# Altium PCB uTCA_MCH_PCB3.pcbdoc (part 24 of 25) (continued)
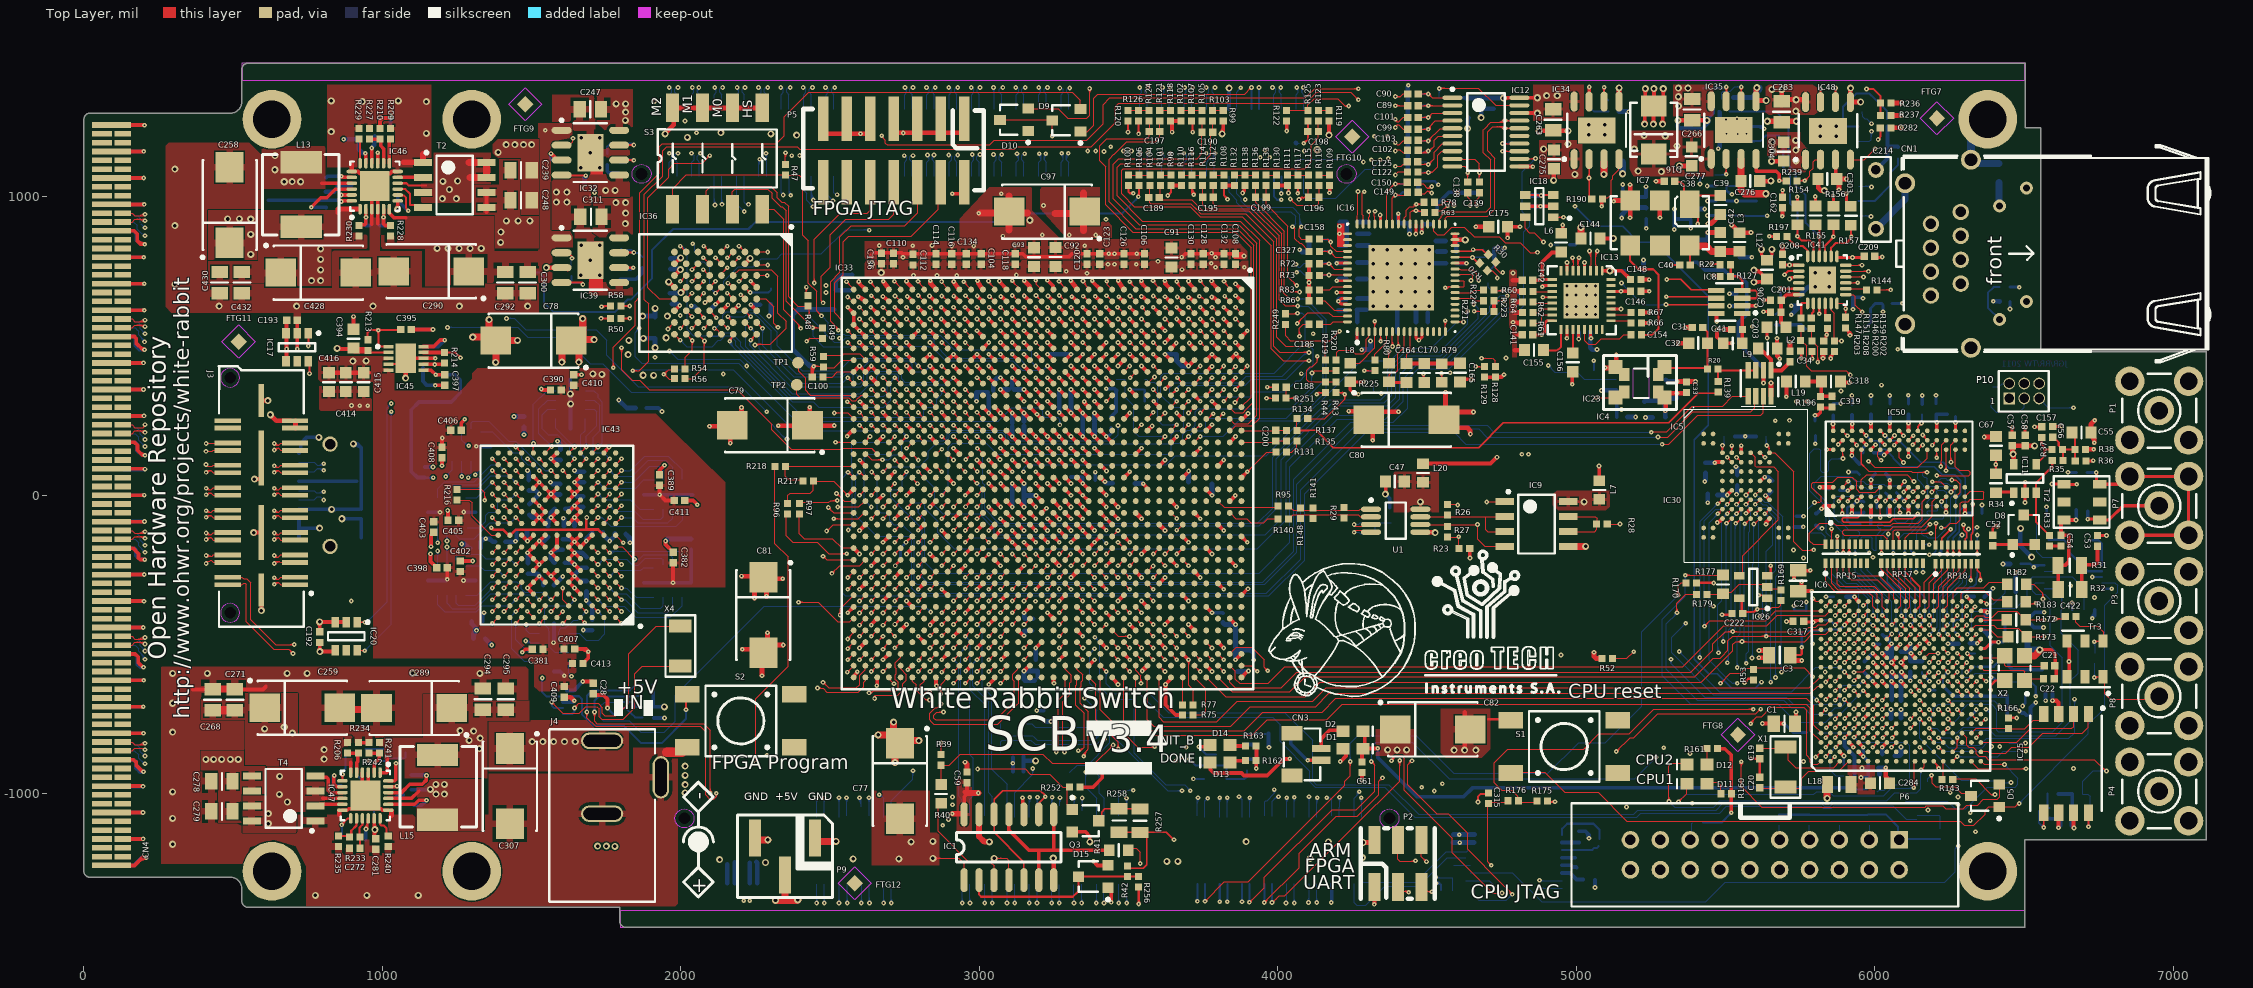
[diagram p0: Top Layer view]
## Nets (pads, with @x,y where several pads share a name; then routed paths per layer and width w, separated by ;. In a path a pad name is that pad's centre, name@x,y a point inside that pad or via, vN(x,y) a via of type N, cw(c..) or ccw(c..) an arc to the next point about the centre after c; other vN are vias at no path point) (continued)
  MidLayer1 w3.94: v1(409.45,1.62) 413.23,5.4 571.37,5.4 612.63,-35.86 760.27,-35.86 930.68,-206.27 930.68,-249.57 1465.86,-784.76 1966.54,-784.76 2001.06,-750.24 2236.03,-750.24 2333.67,-652.6 ; v1@410.84,0.23 cw(c423.33,-12.26) 423.33,5.4 ; v1@413.62,-2.56 cw(c432.83,-21.76) 432.83,5.4 ; 2333.71,-652.6 2544.34,-441.97 2585.97,-441.97 2592.84,-448.84 2761,-448.84 2781.46,-428.38 2820,-428.38 2829.39,-418.98 2840.05,-418.98 2854.13,-433.07 v1(2874.02,-433.07) ; v1@2869.84,-437.25 ccw(c2859.76,-447.33) 2859.76,-433.07 ccw(c2859.76,-418.81) v1@2869.84,-428.9 ; v1@2874.02,-434.02 v1@2874.37,-434.02
TXFD10_P: IC33.AF28 J3.20 | length 3185.9
  Top Layer w3.94: v1(409.45,23.38) 414.86,17.97 426.04,17.97 ; v1@411.28,24.1 ccw(c420.27,27.62) 420.27,17.97 ; v1@414.95,25.53 ccw(c426.04,29.88) 426.04,17.97 ; J3.20@481.69,25 433.07,25 426.04,17.97 ; v1(2874.02,-393.7) IC33.AF28@2893.7,-374.02 ; v1@2874.02,-387.8 ccw(c2874.02,-373.54) 2884.1,-383.62 ccw(c2894.18,-393.7) v1@2879.92,-393.7
  MidLayer1 w3.94: v1(409.45,23.38) 413.23,19.6 577.26,19.6 618.51,-21.65 766.15,-21.65 944.88,-200.38 944.88,-243.69 1471.74,-770.55 1960.66,-770.55 1995.18,-736.03 2230.15,-736.03 2327.79,-638.39 ; v1@410.84,24.77 ccw(c423.33,37.26) 423.33,19.6 ; v1@413.62,27.56 ccw(c432.83,46.76) 432.83,19.6 ; 2327.83,-638.39 2538.46,-427.76 2581,-427.76 2591.93,-416.84 2770.84,-416.84 2773.5,-414.17 2814.12,-414.17 2823.51,-404.78 2862.39,-404.78 v1@2873.9,-393.27 ; 2862.99,-404.17 cw(c2874.02,-415.19) v1@2874.02,-399.61 ; 2864.32,-402.84 ccw(c2855.18,-393.7) v1@2868.11,-393.7
TXFD11_N: IC33.AD27 J3.24 | length 3371.6
  Top Layer w3.94: v1(409,103) 409,98.83 410.94,96.89 417.85,96.89 418.34,96.4 429.47,96.4 433.07,100 J3.24@481.69,100 ; v1(2952.76,-354.33) IC33.AD27@2972.44,-334.65 ; v1@2952.76,-348.43 ccw(c2952.76,-334.17) 2962.84,-344.25 ccw(c2972.92,-354.33) v1@2958.66,-354.33
  MidLayer1 w3.94: v1@407.61,101.61 ccw(c419.39,113.39) 419.39,96.73 ; v1(409,103) 409,98.83 411.1,96.73 588.71,96.73 628.36,57.09 935.04,57.09 1029,-36.87 1029,-226.99 1462.56,-660.55 2238.45,-660.55 2505.48,-393.52 2505.48,-385.43 2531.97,-358.94 2580.31,-358.94 2584.65,-354.61 2584.65,-348.62 2592.72,-340.55 2604.13,-340.55 2610.33,-346.75 2625.89,-346.75 2632.09,-340.55 2643.5,-340.55 2649.94,-346.99 2665.02,-346.99 2671.46,-340.55 2682.87,-340.55 2689.43,-347.11 2704.27,-347.11 2710.83,-340.55 2722.24,-340.55 2728.86,-347.17 2743.58,-347.17 2750.2,-340.55 2761.61,-340.55 2768.23,-347.17 2782.95,-347.17 2789.57,-340.55 2809.64,-340.55 2816.32,-347.23 2860.94,-347.23 2868.55,-339.62 2897.21,-339.62 2902.61,-334.22 2932.65,-334.22 v1(2952.76,-354.33) ; v1@410.39,104.39 ccw(c428.89,122.89) 428.89,96.73 ; v1@413.18,107.18 ccw(c438.4,132.4) 438.4,96.73 ; v1@2946.85,-354.33 ccw(c2932.59,-354.33) 2942.67,-344.25 ccw(c2952.76,-334.17) v1@2952.76,-348.43
TXFD11_P: IC33.AE27 J3.22 | length 3305.7
  Top Layer w3.94: v1(409.45,76.62) 414.86,82.03 426.04,82.03 ; v1@411.28,75.9 cw(c420.27,72.38) 420.27,82.03 ; v1@414.95,74.47 cw(c426.04,70.13) 426.04,82.03 ; J3.22@481.69,75 433.07,75 426.04,82.03 ; v1(2913.39,-354.33) IC33.AE27@2933.07,-334.65 ; v1@2913.39,-348.43 ccw(c2913.39,-334.17) 2923.47,-344.25 ccw(c2933.55,-354.33) v1@2919.29,-354.33
  MidLayer1 w3.94: v1(409.45,76.62) 413.23,80.4 584.96,80.4 622.47,42.88 929.16,42.88 1014.8,-42.76 1014.8,-232.88 1456.68,-674.76 2244.33,-674.76 2519.69,-399.4 2519.69,-391.31 2537.86,-373.14 2586.2,-373.14 2591.23,-368.11 2604.13,-368.11 2610.24,-362 2625.97,-362 2632.09,-368.11 2643.5,-368.11 2650.42,-361.19 2664.54,-361.19 2671.46,-368.11 2682.87,-368.11 2689.67,-361.31 2704.03,-361.31 2710.83,-368.11 2722.24,-368.11 2728.98,-361.37 2743.46,-361.37 2750.2,-368.11 2761.61,-368.11 2768.35,-361.37 2782.83,-361.37 2789.57,-368.11 2810.89,-368.11 2817,-362 2866.26,-362 2873.93,-354.33 v1(2913.39,-354.33) ; v1@410.84,75.23 cw(c423.33,62.74) 423.33,80.4 ; v1@413.62,72.44 cw(c432.83,53.24) 432.83,80.4 ; v1@2909.21,-358.51 ccw(c2899.13,-368.59) 2899.13,-354.33 ccw(c2899.13,-340.07) v1@2909.21,-350.15
TXFD12_N: IC33.AD26 J3.26 | length 3286.2
  Top Layer w3.94: v1(409,147) 430.07,147 433.07,150 J3.26@481.69,150 ; v1(2952.76,-314.96) IC33.AD26@2972.44,-295.28
  MidLayer1 w3.94: v1@411.1,153.27 417.78,153.27 419.9,155.4 576.89,155.4 610.66,121.62 1033.89,121.62 1096.8,58.72 1096.8,-209 1463.93,-576.13 2248.67,-576.13 2495.08,-329.73 2565.17,-329.73 2573.82,-321.08 2573.82,-310.04 2584.65,-299.21 2593.5,-290.36 2604.54,-290.36 2612.2,-282.69 2624.02,-282.69 2631.68,-290.36 2643.91,-290.36 2651.57,-282.69 2663.39,-282.69 2671.05,-290.36 2683.28,-290.36 2691.24,-282.39 2702.75,-282.39 ; 2702.75,-283.27 2710.82,-291.34 2722.24,-291.34 2730.31,-283.27 ; 2730.31,-282.39 2741.83,-282.39 2749.79,-290.36 2762.02,-290.36 2770.28,-282.1 2780.9,-282.1 2789.16,-290.36 2801.39,-290.36 2809.65,-282.1 2820.27,-282.1 2828.53,-290.36 2840.76,-290.36 2849.62,-281.5 2861.8,-281.5 2882.68,-302.38 2940.17,-302.38 v1(2952.76,-314.96)
TXFD12_P: IC33.AD25 J3.28 | length 3288.8
  Top Layer w3.94: v1(409.45,173.38) 431.57,173.38 433.19,175 J3.28@481.69,175 ; v1(2952.76,-275.59) IC33.AD25@2972.44,-255.91
  MidLayer1 w3.94: v1(409.45,173.38) 413.23,169.6 582.77,169.6 616.55,135.83 1039.77,135.83 1111,64.6 1111,-203.12 1469.81,-561.93 2242.79,-561.93 2489.19,-315.52 2537.4,-315.52 ; 2538.39,-314.75 2552.94,-300.2 2563.57,-300.2 2583.66,-280.11 2583.66,-269.48 2592.31,-260.83 2604.54,-260.83 2612.2,-268.49 2624.02,-268.49 2631.68,-260.83 2643.91,-260.83 2651.57,-268.49 2663.39,-268.49 2671.05,-260.83 2683.28,-260.83 2690.64,-268.19 2702.76,-268.19 ; 2702.76,-267.91 2710.83,-259.84 2722.24,-259.84 2730.31,-267.91 ; 2730.31,-268.19 2742.43,-268.19 2749.79,-260.83 2762.02,-260.83 2769.08,-267.89 2782.1,-267.89 2789.16,-260.83 2803.96,-260.83 2811.02,-267.89 2821.47,-267.89 2828.53,-260.83 2840.76,-260.83 2847.22,-267.29 2867.69,-267.29 2888.57,-288.17 2940.17,-288.17 v1(2952.76,-275.59)
USB_5VBUS: C315.1 J2.7 R176.1 | length 1014.1
  Top Layer w3.94: 4704.78,-1229.01 cw(c4694.13,-1239.65) v1@4709.18,-1239.65 ; 4705.57,-1229.8 ccw(c4715.09,-1220.28) v1@4715.09,-1233.74 ; C315.1@4709.08,-1035.62 C315.1@4711.37,-1033.33 ; C315.1@4713.61,-1032.26 4703.44,-1042.43 4703.44,-1227.67 v1@4716.42,-1240.65 ; C315.1@4714.42,-1027.71 4770.4,-1027.71 R176.1@4770.63,-1027.94
  Top Layer w6.89: C315.1@4701.03,-1037.37 C315.1@4705.76,-1032.64
  MidLayer1 w3.94: v1(4179.13,-1364.17) 4195.35,-1347.96 4460.89,-1347.96 4473.19,-1335.66 4473.19,-1325.93 4505.97,-1293.15 4505.97,-1274.13 4520.26,-1259.84 4694.23,-1259.84 v1@4714.09,-1239.98 ; v1@4179.13,-1358.27 ccw(c4179.13,-1344.01) 4189.22,-1354.09 ccw(c4199.3,-1364.17) v1@4185.04,-1364.17 ; 4703.86,-1250.21 cw(c4715.09,-1261.43) v1@4715.09,-1245.56 ; 4705.48,-1248.59 ccw(c4696.54,-1239.65) v1@4709.18,-1239.65
  Bottom Layer w12.6: v1@4180.16,-1361.26 J2.7@4180.16,-1301.77
  other v1: 4715.09,-1239.65
USB_DDP_N: IC6.U16 J2.9 R172.2 | length 3756.6
  Top Layer w3.94: IC6.U16@6323.54,-418.76 6325.5,-418.76 6341.25,-403 6365,-403 6370,-408 6393,-408 6413,-388 6475.88,-388 R172.2@6504.96,-417.09 6566.91,-417.09 v1(6567,-417) ; 6552.54,-417.09 ccw(c6552.54,-402.54) v1@6562.82,-412.82 ; 6552.95,-417.09 cw(c6552.95,-431.05) v1@6562.82,-421.18
  MidLayer1 w3.94: v1@4125.75,-1360 ccw(c4115.66,-1349.92) 4129.92,-1349.92 ccw(c4144.18,-1349.92) v1@4134.1,-1360 ; v1(4129.92,-1364.17) 4129.92,-1347.82 4154.93,-1322.81 4389.24,-1322.81 4431.98,-1280.07 4431.98,-1223.23 4456.93,-1198.27 4954.68,-1198.27 4969.84,-1213.43 6142.61,-1213.43 6271.4,-1084.64 6278.28,-1084.64 6297.99,-1084.66 6301.77,-1088.44 ; 6309.15,-1088.44 ccw(c6309.15,-1079.56) v1@6315.43,-1085.84 ; 6311.16,-1088.44 cw(c6311.16,-1098.31) v1@6318.2,-1091.4 ; v1@6315.39,-1094.15 ccw(c6301.77,-1107.53) 6301.77,-1088.44 ; v1(6319.61,-1090.02) 6318.03,-1088.44 6301.77,-1088.44
  MidLayer2 w3.94: v1(6319.61,-1090.02) 6331.82,-1090.02 ; v1@6324.24,-1093.68 cw(c6331.82,-1099.69) 6331.82,-1090.02 ; v1@6324.24,-1086.35 ccw(c6331.82,-1080.34) 6331.82,-1090.02 ; 6380.63,-1041.21 6331.82,-1090.02 ; 6380.63,-1041 6384.99,-1036.64 6384.99,-960.01 6412.04,-932.96 6450.68,-932.96 6488.81,-894.83 6488.81,-820 6523.32,-785.49 6523.32,-625.93 6561.93,-587.33 6599.02,-587.33 6625.2,-561.15 6625.2,-555.27 6625.42,-555.05 6625.42,-453.42 6607,-435 6576,-435 ; v1@6564.65,-422.42 cw(c6563.1,-426) 6567,-426 ; v1@6565.16,-416.31 ccw(c6574.04,-419.63) 6567.34,-426.34 ; v1(6567,-417) 6567,-426 ; v1@6568.84,-417.69 ccw(c6580.35,-421.98) 6571.67,-430.67 ; v1@6569.35,-422.42 ccw(c6570.9,-426) 6567,-426 ; v1@6572.53,-419.06 ccw(c6586.66,-424.33) 6576,-435 ; 6567,-426 6576,-435
  Bottom Layer w3.94: v1@4125.75,-1360 ccw(c4114.52,-1348.78) 4130.39,-1348.78 ; v1@4130.39,-1363.7 J2.9@4130.39,-1301.77 ; 4130.39,-1351.06 ccw(c4143.04,-1351.06) v1@4134.1,-1360
USB_DDP_P: IC6.U15 J2.11 R173.2 | length 3704.4
  Top Layer w3.94: IC6.U15@6323.54,-450.25 6338.8,-435 6398,-435 6408,-445 6480.16,-445 R173.2@6508.9,-473.74 v1@6566.26,-473.74 ; 6550.95,-473.74 ccw(c6550.95,-456.95) v1@6562.82,-468.82 ; 6554.53,-473.74 cw(c6554.53,-485.47) v1@6562.82,-477.18
  MidLayer1 w3.94: v1@4102.82,-1358.28 ccw(c4103.55,-1349.16) 4110.02,-1355.63 ; v1@4104.33,-1364.17 4104.33,-1361.32 4110.02,-1355.63 ; v1@4108.08,-1362.71 cw(c4115.27,-1360.88) 4110.02,-1355.63 ; 6284.16,-1070.44 6265.52,-1070.44 6136.73,-1199.23 4975.73,-1199.23 4960.57,-1184.07 4451.05,-1184.07 4417.78,-1217.34 4417.78,-1274.19 4383.36,-1308.61 4149.05,-1308.61 4145.93,-1311.72 4143.23,-1311.72 4110.02,-1344.93 4110.02,-1355.63 ; 6284.18,-1070.46 6298.17,-1070.46 6304.63,-1064 v1(6319.61,-1064) ; v1@6315.43,-1068.18 ccw(c6305.35,-1078.26) 6305.35,-1064 ccw(c6305.35,-1049.74) v1@6315.43,-1059.82
  MidLayer2 w3.94: v1(6319.61,-1064) 6337.75,-1064 6366.43,-1035.32 ; v1@6323.78,-1068.18 cw(c6333.86,-1078.26) 6333.86,-1064 cw(c6333.86,-1049.74) v1@6323.78,-1059.82 ; 6366.43,-1035.12 6370.79,-1030.76 6370.79,-954.12 6406.16,-918.76 6444.79,-918.76 6474.61,-888.94 6474.61,-814.12 6509.12,-779.6 6509.12,-620.05 6556.04,-573.13 6593.14,-573.13 6611,-555.27 6611,-460 6600.2,-449.2 6576.89,-449.2 6570.3,-455.8 6570.2,-455.8 6567,-459 ; v1@6562.88,-468.77 ccw(c6553.36,-459) 6567,-459 ; v1(6567,-473) 6567,-459 ; v1@6571.12,-468.77 cw(c6580.64,-459) 6567,-459
  Bottom Layer w3.94: v1@4098.18,-1359.99 ccw(c4081.23,-1343.05) J2.11@4105.2,-1343.05 ; v1@4100.96,-1362.78 ccw(c4090.74,-1352.55) 4105.2,-1352.55 ; v1@4105.2,-1363.31 J2.11@4105.2,-1301.77 ; 4105.2,-1356.78 ccw(c4109.75,-1356.78) v1@4106.53,-1359.99
  other v1: 4102.35,-1364.17
USB_HDP_N: IC6.R17 J2.13 R182.2 | length 4037.8
  Top Layer w3.94: IC6.R17@6260.55,-387.26 v1(6276.3,-371.51) ; v1@6270.39,-371.51 cw(c6256.14,-371.51) 6266.22,-381.59 cw(c6276.3,-391.67) v1@6276.3,-377.42 ; R182.2@6506.77,-297.83 6532.83,-297.83 6562.52,-327.52 v1@6562.52,-349 ; v1@6559.08,-343.54 ccw(c6550.79,-335.25) 6562.52,-335.25 ; 6562.52,-331.68 ccw(c6579.3,-331.68) v1@6567.44,-343.54
  MidLayer1 w3.94: v1@4050.94,-1361.97 ccw(c4040.86,-1351.88) 4055.12,-1351.88 ccw(c4069.38,-1351.88) v1@4059.29,-1361.97 ; v1(4055.12,-1366.14) 4055.12,-1350.8 4127.16,-1278.76 4339.76,-1278.76 4370.5,-1248.01 4370.5,-1200.77 4464.31,-1106.96 6046.24,-1106.96 6122.24,-1030.96 6272.36,-1030.96 v1(6278.27,-1036.87) ; 6249.75,-1030.96 cw(c6249.75,-1065.38) v1@6274.09,-1041.04 ; 6259.26,-1030.96 cw(c6259.26,-1055.88) v1@6276.88,-1038.26 ; 6268.76,-1030.96 cw(c6268.76,-1046.37) v1@6279.66,-1035.47
  MidLayer2 w3.94: v1@6272.12,-367.34 ccw(c6256.89,-352.1) 6278.44,-352.1 ; v1@6274.31,-365.95 ccw(c6273.3,-363.13) 6276.3,-363.13 ; v1@6274.91,-370.12 ccw(c6266.39,-361.6) 6278.44,-361.6 ; v1@6276.18,-365.61 ccw(c6276.13,-363.3) 6278.44,-363.3 ; v1(6276.3,-371.51) 6276.3,-363.13 ; v1(6278.27,-1036.87) 6280.69,-1036.87 6298.38,-1019.18 6298.38,-1001.41 6375.91,-923.88 ; v1@6278.27,-1034.9 ccw(c6278.27,-1024.29) 6285.77,-1031.79 ; v1@6278.27,-1030.96 ccw(c6278.27,-1010.85) 6292.49,-1025.07 ; 6278.27,-361.16 6276.3,-363.13 ; v1@6278.29,-365.95 cw(c6279.3,-363.13) 6276.3,-363.13 ; 6278.44,-362.41 ccw(c6285.4,-362.41) v1@6280.48,-367.34 ; v1@6280.15,-367.03 cw(c6283.36,-363.3) 6278.44,-363.3 ; v1@6284.17,-1036.87 cw(c6292.58,-1036.87) 6286.63,-1030.92 ; 6364.88,-934.5 6453.59,-845.8 6453.59,-482.41 6554.51,-381.48 6554.64,-381.48 6559.8,-376.32 6559.8,-370.52 6560.42,-369.9 6560.42,-353.24 6559.8,-352.62 6559.8,-351.18 v1(6563.26,-347.72) 6557.76,-347.72 6548.87,-338.83 ccw(c6557.94,-329.76) v1@6561.58,-342.06 ; 6548.87,-338.82 6546.05,-336 6385,-336 6360.05,-311.05 6296.22,-311.05 6278.44,-328.83 6278.44,-363.3 ; 6553.55,-343.51 ccw(c6560.08,-336.98) v1@6562.7,-345.83 ; v1@6559.08,-351.9 cw(c6555.86,-355.12) 6560.42,-355.12 ; 6560.42,-368.83 cw(c6584.37,-368.83) v1@6567.44,-351.9 ; 6560.42,-359.33 cw(c6574.87,-359.33) v1@6564.65,-349.11
  Bottom Layer w3.94: v1@4050.94,-1361.97 ccw(c4040.1,-1351.12) 4055.43,-1351.12 ; v1@4055.43,-1365.83 J2.13@4055.43,-1301.77 ; 4055.43,-1352.64 ccw(c4068.61,-1352.64) v1@4059.29,-1361.97
USB_HDP_P: IC6.T17 J2.15 R183.2 | length 3917.7
  Top Layer w3.94: IC6.T17@6292.05,-387.26 v1@6305.81,-373.49 ; v1@6301.88,-371.51 cw(c6287.59,-371.51) 6297.69,-381.62 cw(c6307.78,-391.64) v1@6307.78,-377.42 ; R183.2@6506.02,-356.57 6512.63,-363.18 6535.82,-363.18 v1@6536.16,-362.84 ; R183.2@6522.17,-363.18 ccw(c6522.17,-343.43) v1@6536.13,-357.39 ; 6529.94,-363.18 cw(c6529.94,-371.94) v1@6536.13,-365.75 ; 6531.67,-363.18 ccw(c6531.67,-352.93) v1@6538.92,-360.18
  MidLayer1 w3.94: v1@4028.02,-1360.25 ccw(c4028.75,-1351.13) 4035.22,-1357.6 ; v1@4029.53,-1366.14 4029.53,-1363.29 4035.22,-1357.6 ; v1@4033.27,-1364.68 cw(c4040.47,-1362.85) 4035.22,-1357.6 ; 6249.75,-1016.76 ccw(c6249.75,-982.34) v1@6274.09,-1006.67 ; 6259.26,-1016.76 ccw(c6259.26,-991.84) v1@6276.88,-1009.46 ; 6268.76,-1016.76 ccw(c6268.76,-1001.35) v1@6279.66,-1012.24 ; v1(6278.27,-1010.85) 6272.36,-1016.76 6115.31,-1016.76 6039.31,-1092.76 4458.43,-1092.76 4356.3,-1194.88 4356.3,-1242.13 4333.87,-1264.55 4121.27,-1264.55 4035.22,-1350.61 4035.22,-1357.6
  MidLayer2 w3.94: v1@6275.5,-1005.63 ccw(c6273.06,-1001.03) 6278.27,-1001.03 ; v1@6276.3,-1010.85 cw(c6295.26,-1010.85) 6281.85,-997.45 ; v1(6278.27,-1010.85) 6278.27,-1001.03 ; v1@6280.24,-1010.85 cw(c6308.7,-1010.85) 6288.57,-990.72 ; v1@6281.04,-1005.63 cw(c6283.48,-1001.03) 6278.27,-1001.03 ; v1@6284.17,-1010.85 cw(c6322.14,-1010.85) 6295.29,-984 ; 6292.64,-363.3 6292.64,-334.71 6302.1,-325.25 6354.16,-325.25 6379.12,-350.2 6533.76,-350.2 ; 6298.24,-367.87 ccw(c6304.03,-362.08) v1@6307.05,-369.68 ; v1@6305.6,-366.02 cw(c6301.62,-356.03) 6294.02,-363.64 6301.89,-371.51 v1(6307.78,-371.51) ; v1@6535.08,-358.83 ccw(c6528.56,-355.41) 6533.76,-350.2 ; v1@6536.18,-365.79 cw(c6526.6,-375.6) 6540.31,-375.6 ; 6537.55,-353.99 cw(c6533.53,-358.01) v1@6538.57,-360.66 ; v1@6544.44,-365.79 ccw(c6554.02,-375.6) 6540.31,-375.6 ; 6278.27,-1001.03 6439.39,-839.91 6439.39,-476.52 6540.31,-375.6 ; 6533.76,-350.2 6540.31,-356.75 v1(6540.31,-361.57) 6540.31,-375.6
  Bottom Layer w3.94: v1@4023.38,-1361.96 ccw(c4006.81,-1345.4) 4030.24,-1345.4 ; v1@4026.16,-1364.75 ccw(c4016.32,-1354.9) 4030.24,-1354.9 ; v1@4030.24,-1365.43 J2.15@4030.24,-1301.77 ; 4030.24,-1358.36 ccw(c4035.33,-1358.36) v1@4031.73,-1361.96
  other v1: 4027.55,-1366.14
UTCA_CLK.UTCA_TONGUE2_CLK1_N: C152.1 CN2.10 | length 4130.5
  MidLayer3 w3.94: v1@801.97,-14.96 804.83,-14.96 814.24,-5.55 951.93,-5.55 1273.58,316.1 1356.29,316.1 1681.96,641.76 1694.55,654.36 1783.29,654.36 1835.62,706.69 1856.28,706.69 1864.61,715.01 1917.76,768.17 1917.76,890.39 2074.72,1047.36 2423.23,1047.36 2473.5,1097.64 3030.94,1097.64 3086.7,1041.88 ; 3086.7,1041.84 3236.73,891.81 3325.03,891.81 3390.11,826.73 4025.23,826.73 4037.96,814 ; 4037.96,813.95 4056.08,795.83 ; 4056.13,795.83 4062.99,788.97 ; v1@4057.58,778.42 ccw(c4050.02,788.97) 4062.99,788.97 ; v1@4059.87,775.22 ccw(c4055.51,781.3) 4062.99,781.3 ; v1(4061.02,773.62) 4061.02,770.73 4062.99,768.76 4062.99,788.97 ; 4062.99,783.11 ccw(c4070.5,783.11) v1@4065.19,777.8
  Bottom Layer w3.94: CN2.10@720.47,-15.75 771.65,-15.75 781.93,-5.47 791.75,-5.47 794.75,-8.46 795.86,-8.46 v1(803.15,-15.75) ; v1@4061.02,767.72 cw(c4061.02,760.43) 4066.17,765.58 ; v1@4061.02,770.73 4068.41,763.34 ; v1@4066.57,771.61 ccw(c4073.98,768.92) 4068.41,763.34 ; C152.1@4104.33,777.56 4088.57,777.56 4074.36,763.34 4068.41,763.34
UTCA_CLK.UTCA_TONGUE2_CLK1_P: C153.1 CN2.12 | length 4227.4
  MidLayer3 w3.94: v1(803.15,11.81) 806.3,8.66 946.04,8.66 1267.7,330.32 1350.4,330.32 1688.65,668.57 1777.4,668.57 1829.73,720.9 1850.39,720.9 1903.54,774.06 1903.54,896.28 2068.84,1061.57 2417.34,1061.57 2467.62,1111.85 3036.83,1111.85 3100.92,1047.77 3242.62,906.02 3330.92,906.02 3395.99,840.94 4031.11,840.94 4052.17,819.89 ; v1@804.54,13.2 ccw(c815.5,24.17) 815.5,8.66 ; v1@807.32,15.99 ccw(c825.01,33.67) 825.01,8.66 ; 4052.17,819.83 4061.97,810.04 ; 4062.02,810.04 4077.2,794.85 4080.71,791.34 4080.71,782.37 ; v1(4062.99,746.99) 4080.71,764.71 ; v1@4062.99,752.9 ccw(c4062.99,767.15) 4073.07,757.07 ccw(c4083.15,746.99) v1@4068.9,746.99 ; 4081.13,765.29 4081.13,781.95
  Bottom Layer w3.94: CN2.12@720.47,15.75 771.65,15.75 778.5,8.9 v1@797.71,8.9 ; 781.87,8.9 ccw(c781.87,33.09) v1@798.97,15.99 ; 791.37,8.9 ccw(c791.37,23.59) v1@801.76,13.2 ; v1@799.44,7.17 v1@803.15,10.88 ; v1(4062.99,746.99) 4068.41,752.41 4074.35,752.41 ; v1@4064.96,746.98 cw(c4070.4,746.96) 4070.4,752.41 ; v1@4068.9,746.97 cw(c4074.35,746.95) 4074.35,752.41 ; C153.1@4104.33,738.19 4088.57,738.19 4074.35,752.41
UTCA_CLK.UTCA_TONGUE2_CLK2_N: C149.1 CN2.16 | length 4712.9
  Top Layer w3.94: C149.1@4472.59,1010.05 4492.57,1010.05 4500.43,1017.9 ; 4505.76,1017.9 cw(c4505.76,1009.42) v1@4513.87,1011.91 ; v1@4510.1,1010.76 ccw(c4500.43,1007.78) 4500.43,1017.9 ; v1@4510.33,1017.9 4500.43,1017.9
  MidLayer3 w3.94: v1(803.15,83.61) 806.93,87.38 947.64,87.38 1252.78,392.52 1288.23,392.52 1456.5,560.79 1494.94,560.79 1610.81,676.66 1610.81,833.38 1642.23,864.8 1815.67,864.8 2050.08,1099.21 2154.21,1099.21 2287.2,1232.2 3176.65,1232.2 3217.09,1191.77 ; v1@804.54,82.21 cw(c817.02,69.74) 817.02,87.38 ; v1@807.33,79.43 cw(c826.52,60.23) 826.52,87.38 ; 3217.09,1191.57 3232.91,1175.75 ; 3233.11,1175.75 3242.56,1166.3 3242.56,1129.86 3448.27,924.15 4213.25,924.15 4263.94,974.84 4373.35,974.84 4373.46,974.95 4428.66,974.95 4466.15,1012.44 4513.18,1012.44 v1@4515.34,1014.6 ; 4500.76,1012.19 ccw(c4500.76,1027.47) v1@4511.57,1016.67 ; 4502.22,1012.19 cw(c4502.22,998.96) v1@4511.57,1008.31
  Bottom Layer w3.94: CN2.16@720.47,78.74 771.65,78.74 781.93,89.02 ; 789.31,89.02 cw(c789.31,74.32) v1@801.51,82.51 ; 796.69,89.02 cw(c796.69,79.27) v1@804.78,84.7 ; v1@797.74,89.02 781.93,89.02 ; v1@798.25,80.32 ccw(c781.93,69.37) 781.93,89.02
  other v1: 4515.75,1012.49
UTCA_CLK.UTCA_TONGUE2_CLK2_P: C150.1 CN2.18 | length 4722.5
  Top Layer w3.94: C150.1@4470.47,1043.06 4486.21,1043.06 4500.42,1028.84 v1@4510.33,1028.84 ; 4500.43,1028.84 ccw(c4500.43,1038.97) v1@4510.1,1035.99 ; 4505.76,1028.84 ccw(c4505.76,1037.33) v1@4513.87,1034.83
  MidLayer3 w3.94: v1(803.15,105.37) 806.93,101.59 941.75,101.59 1246.89,406.73 1282.34,406.73 1450.61,575 1489.06,575 1596.6,682.54 1596.6,839.27 1636.35,879.02 1809.78,879.02 2044.19,1113.43 2148.33,1113.43 2281.32,1246.42 3182.54,1246.42 3231.3,1197.66 ; v1@804.54,106.76 ccw(c817.02,119.24) 817.02,101.59 ; v1@807.33,109.55 ccw(c826.52,128.74) 826.52,101.59 ; 3231.3,1197.46 3238.79,1189.96 ; 3239,1189.96 3256.77,1172.19 3256.77,1135.75 3454.15,938.36 ; 3455.71,936.81 3454.15,938.36 ; 4367.56,989.15 4258.15,989.15 4207.36,938.36 3454.15,938.36 ; 4367.58,989.16 4422.77,989.16 4460.56,1026.95 4488.38,1026.95 4495.38,1033.95 ; 4495.28,1033.95 v1@4515.75,1033.95 ; 4500.76,1033.95 ccw(c4500.76,1049.24) v1@4511.57,1038.43 ; 4502.22,1033.95 cw(c4502.22,1020.72) v1@4511.57,1030.08
  Bottom Layer w3.94: CN2.18@720.47,110.24 771.65,110.24 781.93,99.96 ; 789.31,99.96 ccw(c789.31,114.65) v1@801.51,106.47 ; 796.69,99.96 ccw(c796.69,109.7) v1@804.78,104.27 ; v1@797.74,99.96 781.93,99.96 ; v1@798.25,108.66 cw(c781.93,119.6) 781.93,99.96
  other v1: 4515.75,1034.25
VDDANA: C60.2 C284.2 C286.1 IC6.E2 IC6.E3 L18.2 | length 196.3
  Top Layer w12.6: IC6.E2@5945.59,-859.7 v1(5961.34,-875.45) ; IC6.E3@5945.59,-828.2 v1@5961.33,-843.94
  Bottom Layer w12: v1@5957,-945 5976.91,-945 5977.95,-946.04 C286.1@5977.95,-913.52 ; v1(5957,-914) 5977.47,-914 C286.1@5977.95,-913.52 ; v1(5961.33,-843.95) v1(5961.34,-875.45) 5977.95,-892.06 C286.1@5977.95,-913.52 ; C286.1@5978.15,-913.32 C286.1@5977.95,-913.52
  other v1: 5953.31,-945.37
VDDBU: C18.1 C61.2 D1.2 D2.2 IC6.D4 R2.2 R158.2 | length 2095.8
  Top Layer w7: v1(5898.33,-812.45) IC6.D4@5914.09,-796.71 ; v1@5898.33,-808.08 ccw(c5898.33,-797.52) 5905.8,-804.99 ccw(c5913.27,-812.45) v1@5902.71,-812.45
  Top Layer w12.6: C61.2@4281.5,-893.7 D1.2@4281.5,-852.36 ; D1.2@4291.34,-846.46 D2.2@4291.34,-791.34 ; D1.2@4293.31,-848.42 v1@4334.61,-848.42
  Bottom Layer w7: 5929.5,-975.5 5939.69,-985.68 R2.2@5971.18,-985.68 R2.2@5970.5,-985
  Bottom Layer w12.6: v1(4334.61,-847.64) 4334.61,-878.74 4466.1,-1010.24 4621.62,-1010.24 4651.55,-980.32 5924.69,-980.32 5929.5,-975.5 5930.83,-974.17 R158.2@5930.83,-940.41 ; v1(5898.33,-812.45) 5898.33,-840.33 5931.81,-873.81 5931.81,-903.01 R158.2@5931.81,-940.41
VDDOSC: C10.2 C24.1 IC6.U11 L1.2 | length 348.3
  Top Layer w3.94: v1(6307.8,-591.98) IC6.U11@6323.54,-576.24 ; v1@6307.8,-586.08 ccw(c6307.8,-571.82) 6317.88,-581.9 ccw(c6327.96,-591.98) v1@6313.7,-591.98
  Bottom Layer w8.23: v1(6307.8,-591.98) 6315.67,-591.98 C24.1@6333.39,-574.27 ; v1@6307.8,-588.22 ccw(c6307.8,-560.14) 6327.66,-580 ; C24.1@6344.32,-573.93 6398.07,-573.93 6419,-553 C10.2@6440.66,-553
  Bottom Layer w12: C10.2@6448.62,-545.04 6448.62,-572.62 6460,-584 L1.2@6560,-584
VDDPLLA: C218.2 C285.1 IC6.P11 L17.2 | length 424.7
  Top Layer w3.94: IC6.P11@6229.06,-576.24 v1(6244.8,-591.98) ; v1@6238.9,-591.98 ccw(c6224.64,-591.98) 6234.72,-581.9 ccw(c6244.8,-571.82) v1@6244.8,-586.08
  Bottom Layer w7: C285.1@6239.65,-650.47 6228.69,-639.52 6228.69,-608.1 v1(6244.8,-591.98) ; v1@6240.43,-591.98 cw(c6229.87,-591.98) 6237.34,-599.45 cw(c6244.8,-606.92) v1@6244.8,-596.36
  Bottom Layer w12: C285.1@6239.65,-650.47 6263.17,-674 6436,-674 C218.2@6441.26,-668.74 6442.95,-670.43 L17.2@6442.95,-748.27
VDDPLLUTMI: C23.2 C25.1 IC6.V13 L16.2 | length 181.5
  Top Layer w10: IC6.V13@6355.04,-513.24 6369.76,-513.24 6391,-492 v1(6414,-492)
  Bottom Layer w10: C25.1@6390.43,-500.09 6398.53,-492 v1(6414,-492) C23.2@6430.6,-492 ; L16.2@6435.79,-424.49 6435.79,-477.13 C23.2@6448.23,-489.57
VREFDAC: C36.2 C37.1 IC5.2 IC8.2 IC28.1 R145.1 | length 713.9
  Top Layer w12.6: IC8.2@5555.67,634.49 v1@5601.49,634.49 ; IC5.2@5626.58,418.31 5626.58,376.42 v1(5627,376)
  Bottom Layer w12.6: IC28.1@5393.74,780.47 5404.53,780.47 5430,755 5495,755 5515.55,734.45 C36.2@5547.09,734.45 5570.91,710.63 C37.1@5570.91,675.24 R145.1@5570.91,633.31 ; 5594.11,633.31 ccw(c5594.11,642.89) v1@5600.89,636.11 ; v1(5602,635) 5600.31,633.31 R145.1@5571.54,633.31 5571.54,607.54 5543.46,579.46 5543.46,508.54 5627,425 v1(5627,376)
VREFQDRII: C396.1 C397.1 C420.2 C421.2 IC33.AD19 IC33.AJ22 IC33.AK24 IC33.AK29 IC43.H2 IC43.H10 IC45.6 | length 3861.6
  Top Layer w8.58: v1@1364.92,-112.64 cw(c1364.92,-121.29) 1371.04,-115.17 cw(c1377.15,-109.06) v1@1368.5,-109.06 ; v1(1364.92,-109.06) 1371.1,-115.24 1403.78,-115.24 1422.4,-133.86 IC43.H10@1427.17,-133.86 ; IC43.H10@1427.52,-134.51 1447.1,-114.93 1683.05,-114.93 ; v4(1684.29,-74.76) 1683.05,-76 1683.05,-114.73 1722.96,-114.73 IC43.H2@1742.13,-133.86 ; v4(2716.98,-432.69) 2716.98,-432.63 IC33.AK29@2736.22,-413.39 ; v4(2717.65,-236.45) 2717.65,-235.11 IC33.AK24@2736.22,-216.54 ; v4@2754.56,-157.22 2773.98,-137.8 IC33.AJ22@2775.59,-137.8 ; v4(2953.79,-38.53) 2953.79,-38.34 IC33.AD19@2972.44,-19.68
  Top Layer w12.6: IC45.6@1143.27,419.06 1162.83,419.06 v1(1178.5,403.39) C397.1@1211.22,403.39
  MidLayer1 w8.58: v4@2750.7,-159.84 2772.12,-138.42 2822.21,-138.42 2847.58,-113.05 2847.58,-76.47 2866.69,-57.36 2934.96,-57.36 v4(2953.79,-38.53)
  MidLayer4 w8.58: v4(2716.98,-432.69) 2736.11,-413.56 2736.11,-259.12 2719.07,-242.08 v4@2719.07,-235.56
  MidLayer4 w12.6: v1@1170.28,57.48 cw(c1170.28,27.05) 1191.79,48.57 ; v1(1170.28,59.06) 1181.31,59.06 1349.85,-109.49 v1@1364.9,-109.49
  MidLayer3 w8.58: v4(1684.29,-74.76) 1684.29,77.65 1661.2,100.74 1638.72,100.74 1620.1,119.36 1620.1,211.18 1689.51,280.59 v4(1936.93,280.59) 2023.95,280.59 2149.89,154.66 2177.84,154.66 2393.62,-61.13 2593.88,-61.13 2669.09,-136.34 2732.78,-136.34 v4(2754.11,-157.67)
  Bottom Layer w8.58: C421.2@1141.73,59.06 v1(1170.28,59.06) ; v1@1167.74,56.52 ccw(c1161.63,50.41) 1161.63,59.06 ccw(c1161.63,67.7) v1@1167.74,61.59 ; v4@2718.06,-237.12 2735.73,-219.45 2735.73,-176.05 v4(2754.11,-157.67)
  Bottom Layer w12.6: C421.2@1141.73,59.06 1117.4,59.06 1096.69,79.76 1096.69,286.42 1122.95,312.68 1230.51,312.68 1261.06,343.23 1261.06,385.59 1242.83,403.82 C396.1@1210.63,403.82 ; v1@1178.66,403.54 C396.1@1208.66,403.54 ; C420.2@1883.86,292.32 1924.55,292.32 v4@1937.61,279.26